# KiCad board SimulTypeUltraFullMag.kicad_pcb
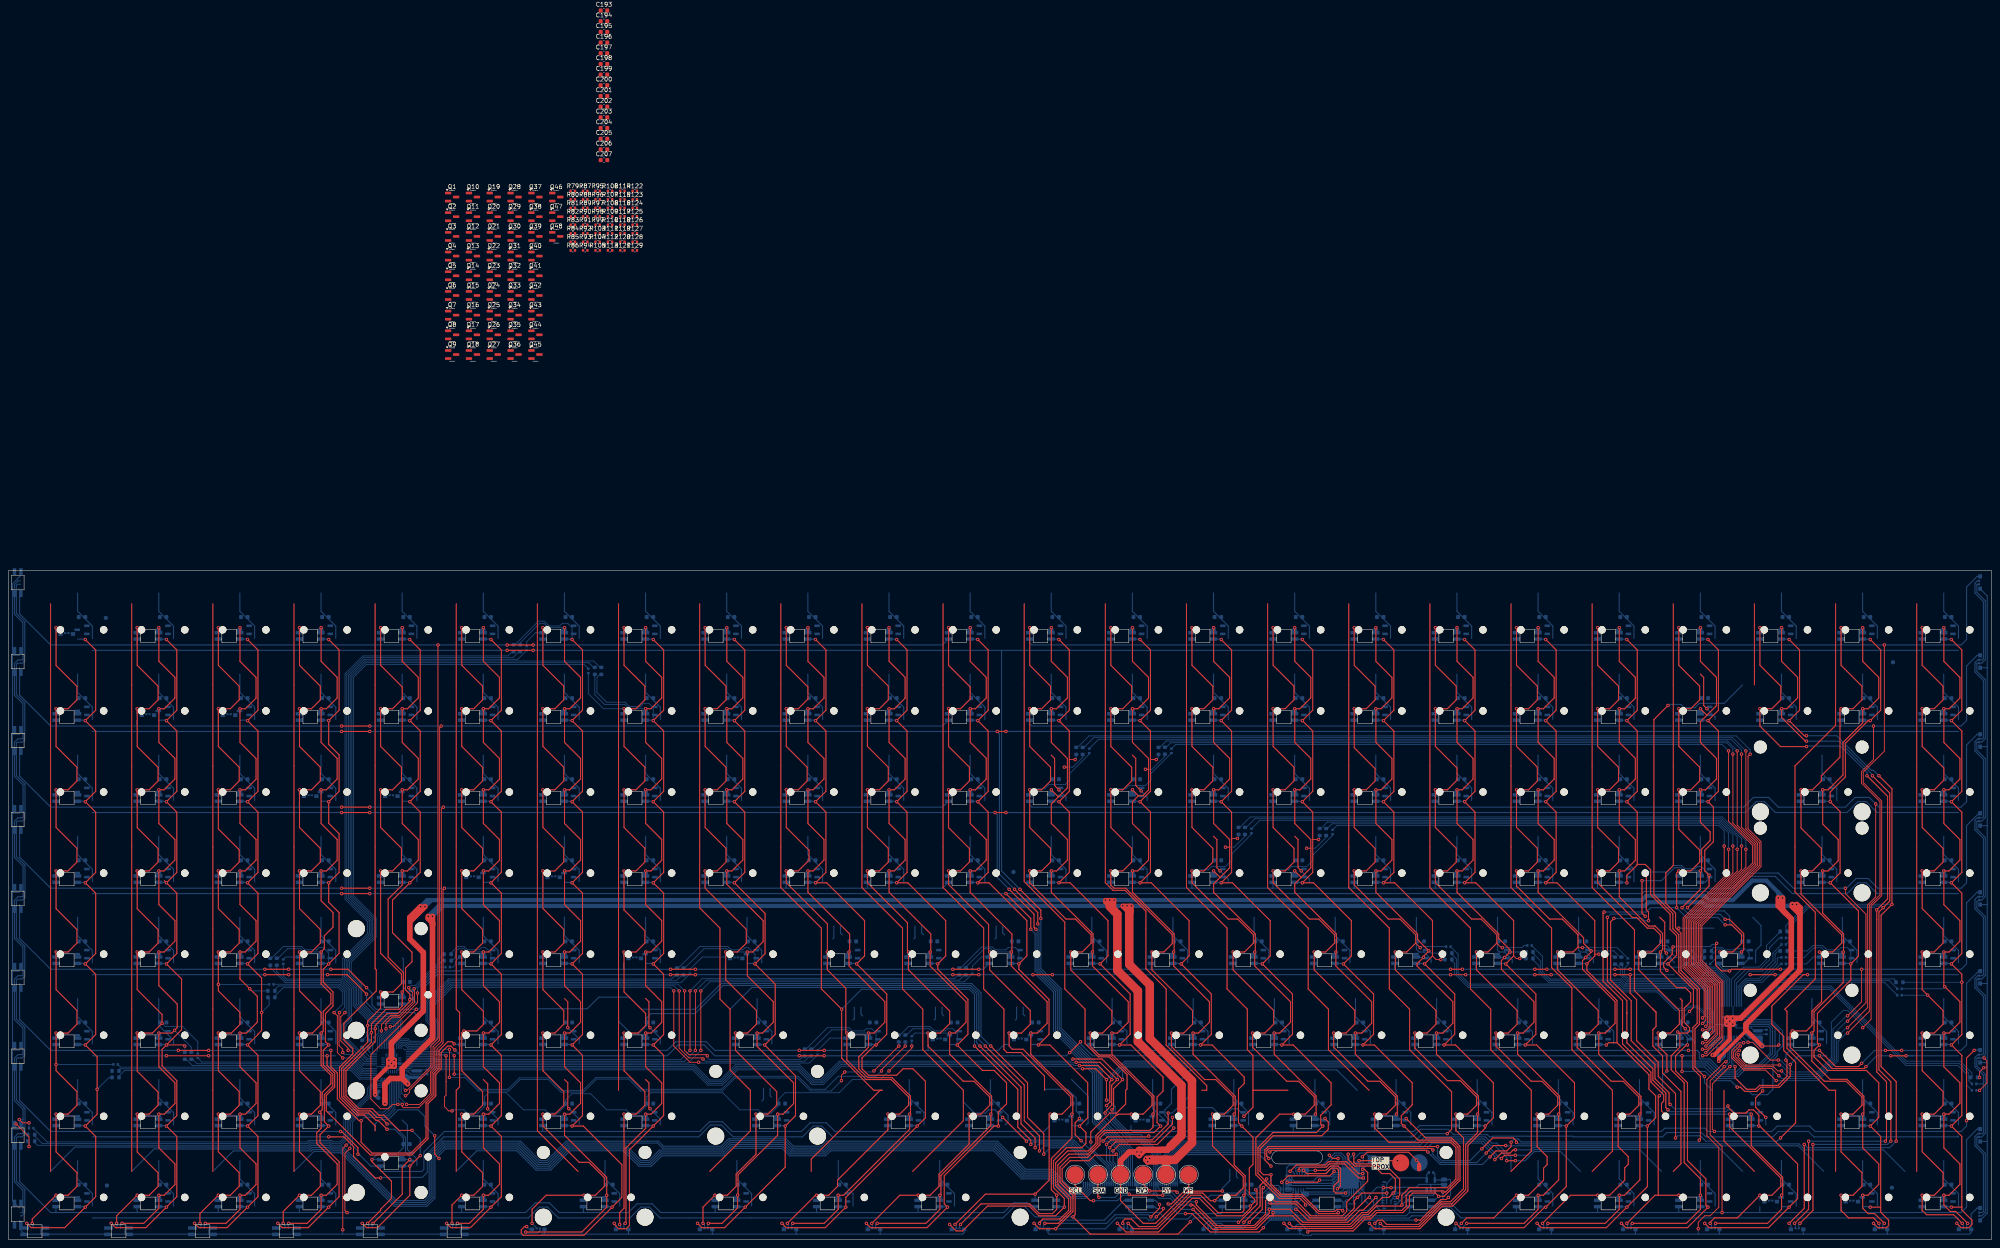
[diagram p0: board, top side]
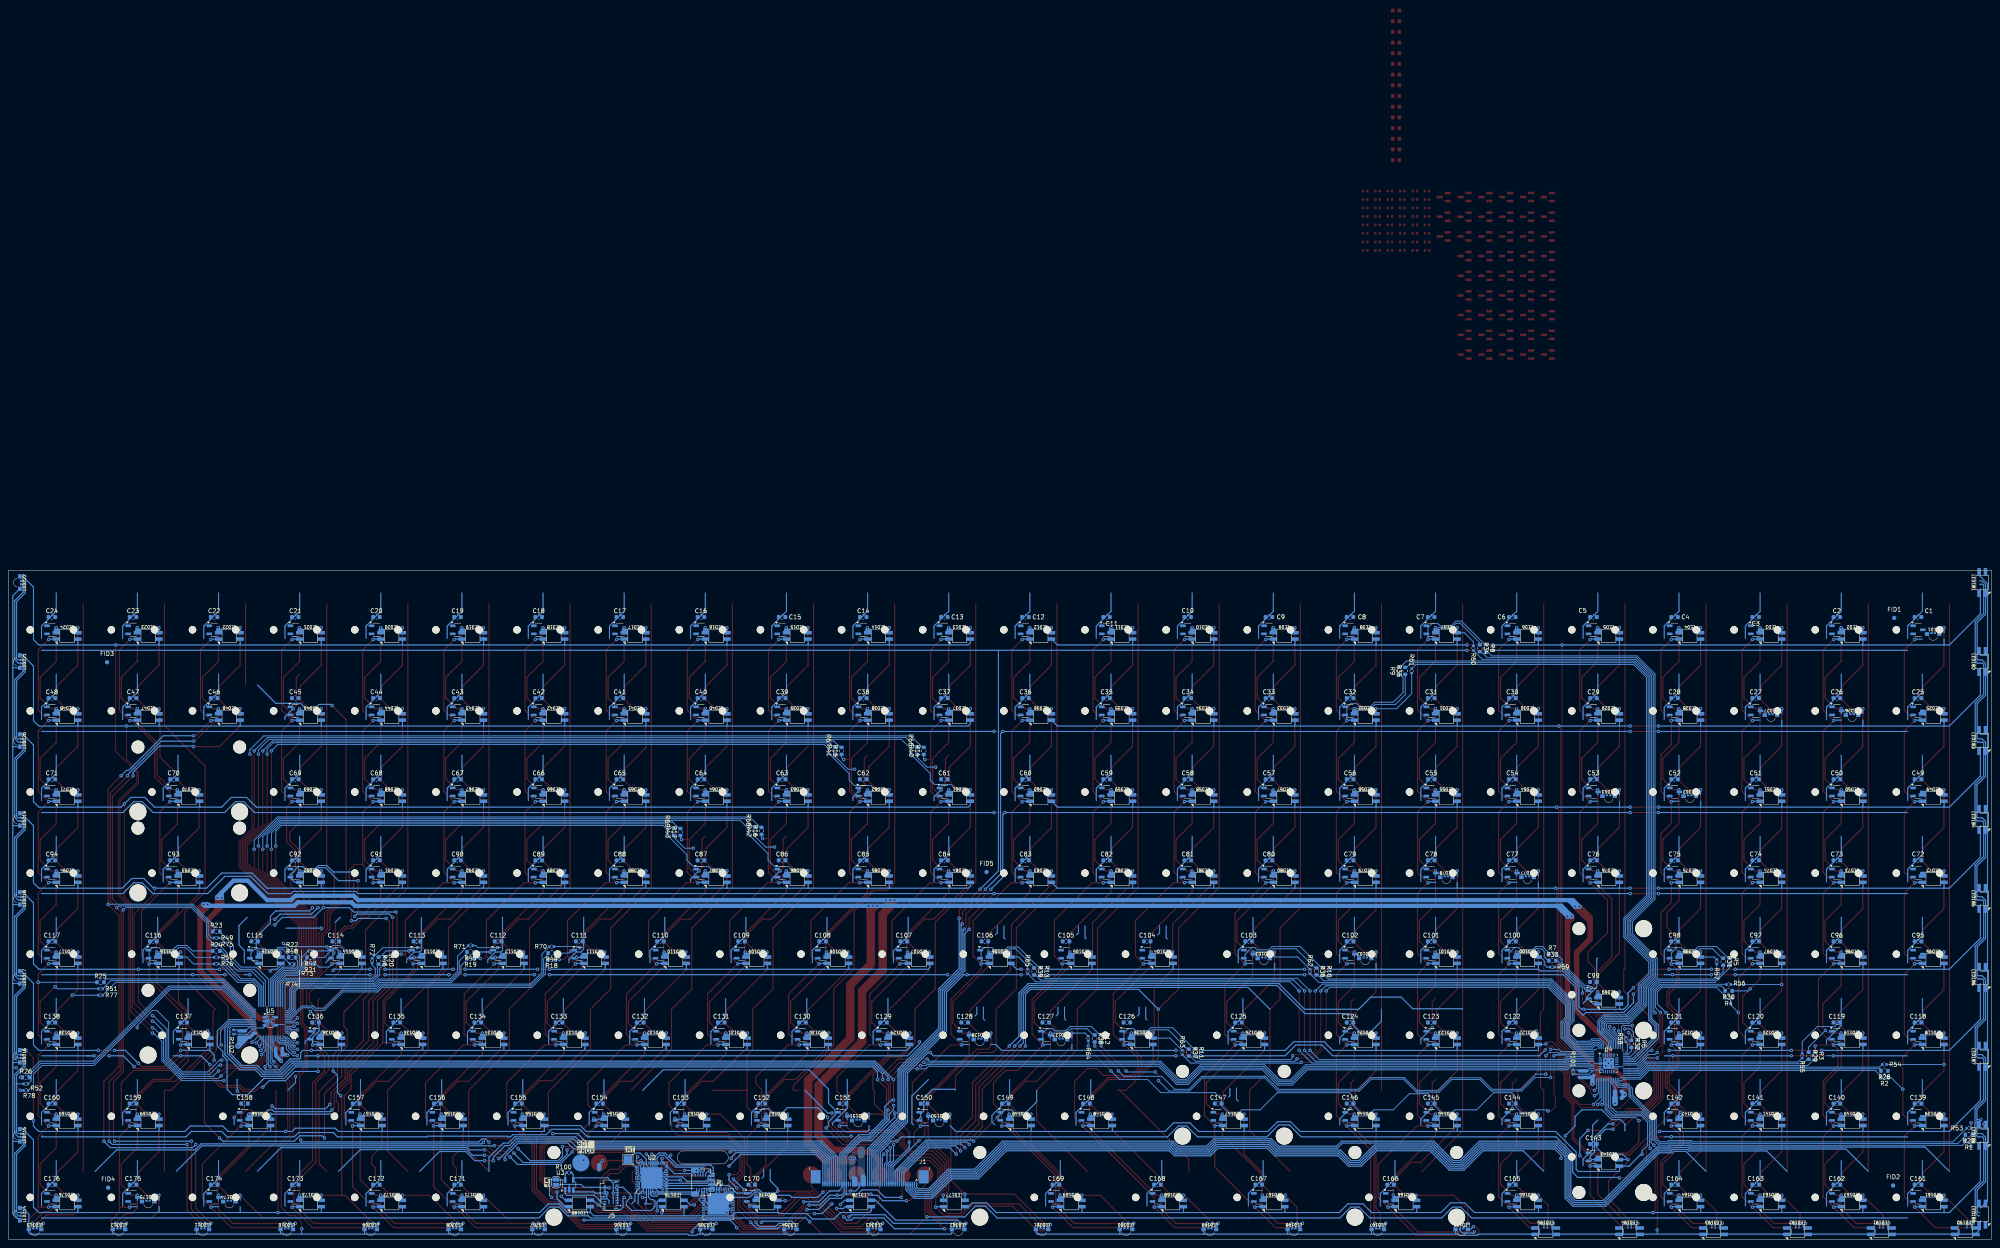
[diagram p1: board, bottom side, seen from below]

Outline 465.58 x 157.23 mm; copper layers: Top, Bottom. Coordinates in mm from the lower left corner of the outline.
Outline path: 307,17.76 308.53,19.28 307,20.81 298.11,20.81 296.59,19.28 298.11,17.76 closed ; rectangle 0,157.23 465.58,0

## Placement (name value [footprint] x y rotation side)
C1  0.1u  [C_0603_1608Metric]  17.26 146.24 180 bottom
C2  0.1u  [C_0603_1608Metric]  36.31 146.24 180 bottom
C3  0.1u  [C_0603_1608Metric]  55.36 146.24 180 bottom
C4  0.1u  [C_0603_1608Metric]  74.41 146.24 180 bottom
C5  0.1u  [C_0603_1608Metric]  93.46 146.24 180 bottom
C6  0.1u  [C_0603_1608Metric]  112.51 146.24 180 bottom
C7  0.1u  [C_0603_1608Metric]  131.56 146.24 180 bottom
C8  0.1u  [C_0603_1608Metric]  150.61 146.24 180 bottom
C9  0.1u  [C_0603_1608Metric]  169.66 146.24 180 bottom
C10  0.1u  [C_0603_1608Metric]  188.71 146.24 180 bottom
C11  0.1u  [C_0603_1608Metric]  207.76 146.24 180 bottom
C12  0.1u  [C_0603_1608Metric]  226.81 146.24 180 bottom
C13  0.1u  [C_0603_1608Metric]  245.86 146.24 180 bottom
C14  0.1u  [C_0603_1608Metric]  264.91 146.24 180 bottom
C15  0.1u  [C_0603_1608Metric]  283.96 146.24 180 bottom
C16  0.1u  [C_0603_1608Metric]  303.01 146.24 180 bottom
C17  0.1u  [C_0603_1608Metric]  322.06 146.24 180 bottom
C18  0.1u  [C_0603_1608Metric]  341.11 146.24 180 bottom
C19  0.1u  [C_0603_1608Metric]  360.16 146.24 180 bottom
C20  0.1u  [C_0603_1608Metric]  379.21 146.24 180 bottom
C21  0.1u  [C_0603_1608Metric]  398.26 146.24 180 bottom
C22  0.1u  [C_0603_1608Metric]  417.31 146.24 180 bottom
C23  0.1u  [C_0603_1608Metric]  436.36 146.24 180 bottom
C24  0.1u  [C_0603_1608Metric]  455.41 146.24 180 bottom
C25  0.1u  [C_0603_1608Metric]  17.26 127.19 180 bottom
C26  0.1u  [C_0603_1608Metric]  36.31 127.19 180 bottom
C27  0.1u  [C_0603_1608Metric]  55.36 127.19 180 bottom
C28  0.1u  [C_0603_1608Metric]  74.41 127.19 180 bottom
C29  0.1u  [C_0603_1608Metric]  93.46 127.19 180 bottom
C30  0.1u  [C_0603_1608Metric]  112.51 127.19 180 bottom
C31  0.1u  [C_0603_1608Metric]  131.56 127.19 180 bottom
C32  0.1u  [C_0603_1608Metric]  150.61 127.19 180 bottom
C33  0.1u  [C_0603_1608Metric]  169.66 127.19 180 bottom
C34  0.1u  [C_0603_1608Metric]  188.71 127.19 180 bottom
C35  0.1u  [C_0603_1608Metric]  207.76 127.19 180 bottom
C36  0.1u  [C_0603_1608Metric]  226.81 127.19 180 bottom
C37  0.1u  [C_0603_1608Metric]  245.86 127.19 180 bottom
C38  0.1u  [C_0603_1608Metric]  264.91 127.19 180 bottom
C39  0.1u  [C_0603_1608Metric]  283.96 127.19 180 bottom
C40  0.1u  [C_0603_1608Metric]  303.01 127.19 180 bottom
C41  0.1u  [C_0603_1608Metric]  322.06 127.19 180 bottom
C42  0.1u  [C_0603_1608Metric]  341.11 127.19 180 bottom
C43  0.1u  [C_0603_1608Metric]  360.16 127.19 180 bottom
C44  0.1u  [C_0603_1608Metric]  379.21 127.19 180 bottom
C45  0.1u  [C_0603_1608Metric]  398.26 127.19 180 bottom
C46  0.1u  [C_0603_1608Metric]  417.31 127.19 180 bottom
C47  0.1u  [C_0603_1608Metric]  436.36 127.19 180 bottom
C48  0.1u  [C_0603_1608Metric]  455.41 127.19 180 bottom
C49  0.1u  [C_0603_1608Metric]  17.26 108.14 180 bottom
C50  0.1u  [C_0603_1608Metric]  36.31 108.14 180 bottom
C51  0.1u  [C_0603_1608Metric]  55.36 108.14 180 bottom
C52  0.1u  [C_0603_1608Metric]  74.41 108.14 180 bottom
C53  0.1u  [C_0603_1608Metric]  93.46 108.14 180 bottom
C54  0.1u  [C_0603_1608Metric]  112.51 108.14 180 bottom
C55  0.1u  [C_0603_1608Metric]  131.56 108.14 180 bottom
C56  0.1u  [C_0603_1608Metric]  150.61 108.14 180 bottom
C57  0.1u  [C_0603_1608Metric]  169.66 108.14 180 bottom
C58  0.1u  [C_0603_1608Metric]  188.71 108.14 180 bottom
C59  0.1u  [C_0603_1608Metric]  207.76 108.14 180 bottom
C60  0.1u  [C_0603_1608Metric]  226.81 108.14 180 bottom
C61  0.1u  [C_0603_1608Metric]  245.86 108.14 180 bottom
C62  0.1u  [C_0603_1608Metric]  264.91 108.14 180 bottom
C63  0.1u  [C_0603_1608Metric]  283.96 108.14 180 bottom
C64  0.1u  [C_0603_1608Metric]  303.01 108.14 180 bottom
C65  0.1u  [C_0603_1608Metric]  322.06 108.14 180 bottom
C66  0.1u  [C_0603_1608Metric]  341.11 108.14 180 bottom
C67  0.1u  [C_0603_1608Metric]  360.16 108.14 180 bottom
C68  0.1u  [C_0603_1608Metric]  379.21 108.14 180 bottom
C69  0.1u  [C_0603_1608Metric]  398.26 108.14 180 bottom
C70  0.1u  [C_0603_1608Metric]  426.83 108.14 180 bottom
C71  0.1u  [C_0603_1608Metric]  455.41 108.14 180 bottom
C72  0.1u  [C_0603_1608Metric]  17.26 89.09 180 bottom
C73  0.1u  [C_0603_1608Metric]  36.31 89.09 180 bottom
C74  0.1u  [C_0603_1608Metric]  55.36 89.09 180 bottom
C75  0.1u  [C_0603_1608Metric]  74.41 89.09 180 bottom
C76  0.1u  [C_0603_1608Metric]  93.46 89.09 180 bottom
C77  0.1u  [C_0603_1608Metric]  112.51 89.09 180 bottom
C78  0.1u  [C_0603_1608Metric]  131.56 89.09 180 bottom
C79  0.1u  [C_0603_1608Metric]  150.61 89.09 180 bottom
C80  0.1u  [C_0603_1608Metric]  169.66 89.09 180 bottom
C81  0.1u  [C_0603_1608Metric]  188.71 89.09 180 bottom
C82  0.1u  [C_0603_1608Metric]  207.76 89.09 180 bottom
C83  0.1u  [C_0603_1608Metric]  226.81 89.09 180 bottom
C84  0.1u  [C_0603_1608Metric]  245.86 89.09 180 bottom
C85  0.1u  [C_0603_1608Metric]  264.91 89.09 180 bottom
C86  0.1u  [C_0603_1608Metric]  283.96 89.09 180 bottom
C87  0.1u  [C_0603_1608Metric]  303.01 89.09 180 bottom
C88  0.1u  [C_0603_1608Metric]  322.06 89.09 180 bottom
C89  0.1u  [C_0603_1608Metric]  341.11 89.09 180 bottom
C90  0.1u  [C_0603_1608Metric]  360.16 89.09 180 bottom
C91  0.1u  [C_0603_1608Metric]  379.21 89.09 180 bottom
C92  0.1u  [C_0603_1608Metric]  398.26 89.09 180 bottom
C93  0.1u  [C_0603_1608Metric]  426.83 89.09 180 bottom
C94  0.1u  [C_0603_1608Metric]  455.41 89.09 180 bottom
C95  0.1u  [C_0603_1608Metric]  17.26 70.04 180 bottom
C96  0.1u  [C_0603_1608Metric]  36.31 70.04 180 bottom
C97  0.1u  [C_0603_1608Metric]  55.36 70.04 180 bottom
C98  0.1u  [C_0603_1608Metric]  74.41 70.04 180 bottom
C99  0.1u  [C_0603_1608Metric]  93.46 60.51 180 bottom
C100  0.1u  [C_0603_1608Metric]  112.51 70.04 180 bottom
C101  0.1u  [C_0603_1608Metric]  131.56 70.04 180 bottom
C102  0.1u  [C_0603_1608Metric]  150.61 70.04 180 bottom
C103  0.1u  [C_0603_1608Metric]  174.42 70.04 180 bottom
C104  0.1u  [C_0603_1608Metric]  198.23 70.04 180 bottom
C105  0.1u  [C_0603_1608Metric]  217.28 70.04 180 bottom
C106  0.1u  [C_0603_1608Metric]  236.33 70.04 180 bottom
C107  0.1u  [C_0603_1608Metric]  255.38 70.04 180 bottom
C108  0.1u  [C_0603_1608Metric]  274.43 70.04 180 bottom
C109  0.1u  [C_0603_1608Metric]  293.48 70.04 180 bottom
C110  0.1u  [C_0603_1608Metric]  312.53 70.04 180 bottom
C111  0.1u  [C_0603_1608Metric]  331.58 70.04 180 bottom
C112  0.1u  [C_0603_1608Metric]  350.63 70.04 180 bottom
C113  0.1u  [C_0603_1608Metric]  369.68 70.04 180 bottom
C114  0.1u  [C_0603_1608Metric]  388.73 70.04 180 bottom
C115  0.1u  [C_0603_1608Metric]  407.78 70.04 180 bottom
C116  0.1u  [C_0603_1608Metric]  431.6 70.04 180 bottom
C117  0.1u  [C_0603_1608Metric]  455.41 70.04 180 bottom
C118  0.1u  [C_0603_1608Metric]  17.26 50.99 180 bottom
C119  0.1u  [C_0603_1608Metric]  36.31 50.99 180 bottom
C120  0.1u  [C_0603_1608Metric]  55.36 50.99 180 bottom
C121  0.1u  [C_0603_1608Metric]  74.41 50.99 180 bottom
C122  0.1u  [C_0603_1608Metric]  112.51 50.99 180 bottom
C123  0.1u  [C_0603_1608Metric]  131.56 50.99 180 bottom
C124  0.1u  [C_0603_1608Metric]  150.61 50.99 180 bottom
C125  0.1u  [C_0603_1608Metric]  176.8 50.99 180 bottom
C126  0.1u  [C_0603_1608Metric]  203 50.99 180 bottom
C127  0.1u  [C_0603_1608Metric]  222.05 50.99 180 bottom
C128  0.1u  [C_0603_1608Metric]  241.1 50.99 180 bottom
C129  0.1u  [C_0603_1608Metric]  260.15 50.99 180 bottom
C130  0.1u  [C_0603_1608Metric]  279.2 50.99 180 bottom
C131  0.1u  [C_0603_1608Metric]  298.25 50.99 180 bottom
C132  0.1u  [C_0603_1608Metric]  317.3 50.99 180 bottom
C133  0.1u  [C_0603_1608Metric]  336.35 50.99 180 bottom
C134  0.1u  [C_0603_1608Metric]  355.4 50.99 180 bottom
C135  0.1u  [C_0603_1608Metric]  374.45 50.99 180 bottom
C136  0.1u  [C_0603_1608Metric]  393.5 50.99 180 bottom
C137  0.1u  [C_0603_1608Metric]  424.45 50.99 180 bottom
C138  0.1u  [C_0603_1608Metric]  455.41 50.99 180 bottom
C139  0.1u  [C_0603_1608Metric]  17.26 31.94 180 bottom
C140  0.1u  [C_0603_1608Metric]  36.31 31.94 180 bottom
C141  0.1u  [C_0603_1608Metric]  55.36 31.94 180 bottom
C142  0.1u  [C_0603_1608Metric]  74.41 31.94 180 bottom
C143  0.1u  [C_0603_1608Metric]  93.46 22.41 180 bottom
C144  0.1u  [C_0603_1608Metric]  112.51 31.94 180 bottom
C145  0.1u  [C_0603_1608Metric]  131.56 31.94 180 bottom
C146  0.1u  [C_0603_1608Metric]  150.61 31.94 180 bottom
C147  0.1u  [C_0603_1608Metric]  181.57 31.94 180 bottom
C148  0.1u  [C_0603_1608Metric]  212.52 31.94 180 bottom
C149  0.1u  [C_0603_1608Metric]  231.57 31.94 180 bottom
C150  0.1u  [C_0603_1608Metric]  250.62 31.94 180 bottom
C151  0.1u  [C_0603_1608Metric]  269.67 31.94 180 bottom
C152  0.1u  [C_0603_1608Metric]  288.72 31.94 180 bottom
C153  0.1u  [C_0603_1608Metric]  307.77 31.94 180 bottom
C154  0.1u  [C_0603_1608Metric]  326.82 31.94 180 bottom
C155  0.1u  [C_0603_1608Metric]  345.87 31.94 180 bottom
C156  0.1u  [C_0603_1608Metric]  364.92 31.94 180 bottom
C157  0.1u  [C_0603_1608Metric]  383.97 31.94 180 bottom
C158  0.1u  [C_0603_1608Metric]  410.17 31.94 180 bottom
C159  0.1u  [C_0603_1608Metric]  436.36 31.94 180 bottom
C160  0.1u  [C_0603_1608Metric]  455.41 31.94 180 bottom
C161  0.1u  [C_0603_1608Metric]  17.26 12.89 180 bottom
C162  0.1u  [C_0603_1608Metric]  36.31 12.89 180 bottom
C163  0.1u  [C_0603_1608Metric]  55.36 12.89 180 bottom
C164  0.1u  [C_0603_1608Metric]  74.41 12.89 180 bottom
C165  0.1u  [C_0603_1608Metric]  112.51 12.89 180 bottom
C166  0.1u  [C_0603_1608Metric]  141.08 12.89 180 bottom
C167  0.1u  [C_0603_1608Metric]  172.04 12.89 180 bottom
C168  0.1u  [C_0603_1608Metric]  195.85 12.89 180 bottom
C169  0.1u  [C_0603_1608Metric]  219.67 12.89 180 bottom
C170  0.1u  [C_0603_1608Metric]  291.1 12.89 180 bottom
C171  0.1u  [C_0603_1608Metric]  360.16 12.89 180 bottom
C172  0.1u  [C_0603_1608Metric]  379.21 12.89 180 bottom
C173  0.1u  [C_0603_1608Metric]  398.26 12.89 180 bottom
C174  0.1u  [C_0603_1608Metric]  417.31 12.89 180 bottom
C175  0.1u  [C_0603_1608Metric]  436.36 12.89 180 bottom
C176  0.1u  [C_0603_1608Metric]  455.41 12.89 180 bottom
C193  1u  [C_0603_1608Metric]  139.8 288.73 0 top
C194  0.1u  [C_0603_1608Metric]  139.8 286.22 0 top
C195  1u  [C_0603_1608Metric]  139.8 283.71 0 top
C196  0.1u  [C_0603_1608Metric]  139.8 281.2 0 top
C197  1u  [C_0603_1608Metric]  139.8 278.69 0 top
C198  0.1u  [C_0603_1608Metric]  139.8 276.18 0 top
C199  1u  [C_0603_1608Metric]  139.8 273.67 0 top
C200  0.1u  [C_0603_1608Metric]  139.8 271.16 0 top
C201  1u  [C_0603_1608Metric]  139.8 268.65 0 top
C202  1u  [C_0603_1608Metric]  139.8 266.14 0 top
C203  0.1u  [C_0603_1608Metric]  139.8 263.63 0 top
C204  0.1u  [C_0603_1608Metric]  139.8 261.12 0 top
C205  5p  [C_0603_1608Metric]  139.8 258.61 0 top
C206  1u  [C_0603_1608Metric]  139.8 256.1 0 top
C207  2.2n  [C_0603_1608Metric]  139.8 253.59 0 top
DRA1  DIN_Rail_Adapter  [Stabilizer_Cherry_MX_6.25u]  287.53 13.46 0 top  (not fitted)
DRA2  DIN_Rail_Adapter  [Stabilizer_Cherry_MX_2.00u]  177.99 32.51 0 top  (not fitted)
DRA3  DIN_Rail_Adapter  [Stabilizer_Cherry_MX_2.00u]  420.88 51.56 0 top  (not fitted)
DRA4  DIN_Rail_Adapter  [Stabilizer_Cherry_MX_2.00u]  89.88 61.09 270 top  (not fitted)
DRA5  DIN_Rail_Adapter  [Stabilizer_Cherry_MX_2.00u]  89.88 22.99 270 top  (not fitted)
DRA6  DIN_Rail_Adapter  [Stabilizer_Cherry_MX_2.00u]  137.51 13.46 0 top  (not fitted)
DRA7  DIN_Rail_Adapter  [Stabilizer_Cherry_MX_2.00u]  423.26 89.66 0 top  (not fitted)
DRA8  DIN_Rail_Adapter  [Stabilizer_Cherry_MX_2.00u]  423.26 108.71 0 top  (not fitted)
FID1  Fiducial  [Fiducial_1mm_Mask2mm]  22.85 146.03 180 bottom  (not fitted)
FID2  Fiducial  [Fiducial_1mm_Mask2mm]  23.1 12.68 180 bottom  (not fitted)
FID3  Fiducial  [Fiducial_1mm_Mask2mm]  442.46 135.62 180 bottom  (not fitted)
FID4  Fiducial  [Fiducial_1mm_Mask2mm]  442.2 12.17 180 bottom  (not fitted)
FID5  Fiducial  [Fiducial_1mm_Mask2mm]  235.95 86.34 180 bottom  (not fitted)
J1  Conn_01x45  [TE_4-1734839-5_1x45-1MP_P0.5mm_Horizontal]  263.39 14.38 0 bottom
J2  Qwiic_I2C_connector  [JST_SH_SM04B-SRSS-TB_1x04-1MP_P1.00mm_Horizontal]  302.53 13.46 270 bottom
J3  Conn_01x01  [SURFACESPRING_1]  326.89 18.01 0 top  (not fitted)
J4  Conn_01x01  [SURFACESPRING_1]  331.2 18.01 180 bottom  (not fitted)
J5  Conn_01x17  [Molex_502250-1791_2Rows-17Pins-1MP_P0.60mm_Horizontal]  324.09 10.39 0 bottom
JP1  SolderJumper_2_Open  [SolderJumper-2_P1.3mm_Open_RoundedPad1.0x1.5mm]  337.05 13.46 270 bottom  (not fitted)
LED1  ASMB-MTB1-0A3A2  [RGBSIDELENS]  13.68 141.81 0 bottom
LED2  ASMB-MTB1-0A3A2  [6028RGB]  32.73 141.81 0 bottom
LED3  ASMB-MTB1-0A3A2  [6028RGB]  51.78 141.81 0 bottom
LED4  ASMB-MTB1-0A3A2  [6028RGB]  70.83 141.81 0 bottom
LED5  ASMB-MTB1-0A3A2  [6028RGB]  89.88 141.81 0 bottom
LED6  ASMB-MTB1-0A3A2  [6028RGB]  108.93 141.81 0 bottom
LED7  ASMB-MTB1-0A3A2  [6028RGB]  127.98 141.81 0 bottom
LED8  ASMB-MTB1-0A3A2  [6028RGB]  147.03 141.81 0 bottom
LED9  ASMB-MTB1-0A3A2  [6028RGB]  166.08 141.81 0 bottom
LED10  ASMB-MTB1-0A3A2  [6028RGB]  185.13 141.81 0 bottom
LED11  ASMB-MTB1-0A3A2  [6028RGB]  204.18 141.81 0 bottom
LED12  ASMB-MTB1-0A3A2  [6028RGB]  223.23 141.81 0 bottom
LED13  ASMB-MTB1-0A3A2  [6028RGB]  242.28 141.81 0 bottom
LED14  ASMB-MTB1-0A3A2  [6028RGB]  261.33 141.81 0 bottom
LED15  ASMB-MTB1-0A3A2  [6028RGB]  280.38 141.81 0 bottom
LED16  ASMB-MTB1-0A3A2  [6028RGB]  299.43 141.81 0 bottom
LED17  ASMB-MTB1-0A3A2  [6028RGB]  318.48 141.81 0 bottom
LED18  ASMB-MTB1-0A3A2  [6028RGB]  337.53 141.81 0 bottom
LED19  ASMB-MTB1-0A3A2  [6028RGB]  356.58 141.81 0 bottom
LED20  ASMB-MTB1-0A3A2  [6028RGB]  375.63 141.81 0 bottom
LED21  ASMB-MTB1-0A3A2  [6028RGB]  394.68 141.81 0 bottom
LED22  ASMB-MTB1-0A3A2  [6028RGB]  413.73 141.81 0 bottom
LED23  ASMB-MTB1-0A3A2  [6028RGB]  432.78 141.81 0 bottom
LED24  ASMB-MTB1-0A3A2  [6028RGB]  451.83 141.81 0 bottom
LED25  ASMB-MTB1-0A3A2  [6028RGB]  13.68 122.76 0 bottom
LED26  ASMB-MTB1-0A3A2  [RGBSIDELENS]  32.73 122.76 0 bottom
LED27  ASMB-MTB1-0A3A2  [RGBSIDELENS]  51.78 122.76 0 bottom
LED28  ASMB-MTB1-0A3A2  [6028RGB]  70.83 122.76 0 bottom
LED29  ASMB-MTB1-0A3A2  [6028RGB]  89.88 122.76 0 bottom
LED30  ASMB-MTB1-0A3A2  [6028RGB]  108.93 122.76 0 bottom
LED31  ASMB-MTB1-0A3A2  [6028RGB]  127.98 122.76 0 bottom
LED32  ASMB-MTB1-0A3A2  [6028RGB]  147.03 122.76 0 bottom
LED33  ASMB-MTB1-0A3A2  [6028RGB]  166.08 122.76 0 bottom
LED34  ASMB-MTB1-0A3A2  [6028RGB]  185.13 122.76 0 bottom
LED35  ASMB-MTB1-0A3A2  [6028RGB]  204.18 122.76 0 bottom
LED36  ASMB-MTB1-0A3A2  [6028RGB]  223.23 122.76 0 bottom
LED37  ASMB-MTB1-0A3A2  [6028RGB]  242.28 122.76 0 bottom
LED38  ASMB-MTB1-0A3A2  [6028RGB]  261.33 122.76 0 bottom
LED39  ASMB-MTB1-0A3A2  [6028RGB]  280.38 122.76 0 bottom
LED40  ASMB-MTB1-0A3A2  [6028RGB]  299.43 122.76 0 bottom
LED41  ASMB-MTB1-0A3A2  [6028RGB]  318.48 122.76 0 bottom
LED42  ASMB-MTB1-0A3A2  [6028RGB]  337.53 122.76 0 bottom
LED43  ASMB-MTB1-0A3A2  [6028RGB]  356.58 122.76 0 bottom
LED44  ASMB-MTB1-0A3A2  [6028RGB]  375.63 122.76 0 bottom
LED45  ASMB-MTB1-0A3A2  [6028RGB]  394.68 122.76 0 bottom
LED46  ASMB-MTB1-0A3A2  [6028RGB]  413.73 122.76 0 bottom
LED47  ASMB-MTB1-0A3A2  [6028RGB]  432.78 122.76 0 bottom
LED48  ASMB-MTB1-0A3A2  [6028RGB]  451.83 122.76 0 bottom
LED49  ASMB-MTB1-0A3A2  [6028RGB]  13.68 103.71 0 bottom
LED50  ASMB-MTB1-0A3A2  [6028RGB]  32.73 103.71 0 bottom
LED51  ASMB-MTB1-0A3A2  [6028RGB]  51.78 103.71 0 bottom
LED52  ASMB-MTB1-0A3A2  [RGBSIDELENS]  70.83 103.71 0 bottom
LED53  ASMB-MTB1-0A3A2  [RGBSIDELENS]  89.88 103.71 0 bottom
LED54  ASMB-MTB1-0A3A2  [6028RGB]  108.93 103.71 0 bottom
LED55  ASMB-MTB1-0A3A2  [6028RGB]  127.98 103.71 0 bottom
LED56  ASMB-MTB1-0A3A2  [6028RGB]  147.03 103.71 0 bottom
LED57  ASMB-MTB1-0A3A2  [6028RGB]  166.08 103.71 0 bottom
LED58  ASMB-MTB1-0A3A2  [6028RGB]  185.13 103.71 0 bottom
LED59  ASMB-MTB1-0A3A2  [6028RGB]  204.18 103.71 0 bottom
LED60  ASMB-MTB1-0A3A2  [6028RGB]  223.23 103.71 0 bottom
LED61  ASMB-MTB1-0A3A2  [6028RGB]  242.28 103.71 0 bottom
LED62  ASMB-MTB1-0A3A2  [6028RGB]  261.33 103.71 0 bottom
LED63  ASMB-MTB1-0A3A2  [6028RGB]  280.38 103.71 0 bottom
LED64  ASMB-MTB1-0A3A2  [6028RGB]  299.43 103.71 0 bottom
LED65  ASMB-MTB1-0A3A2  [6028RGB]  318.48 103.71 0 bottom
LED66  ASMB-MTB1-0A3A2  [6028RGB]  337.53 103.71 0 bottom
LED67  ASMB-MTB1-0A3A2  [6028RGB]  356.58 103.71 0 bottom
LED68  ASMB-MTB1-0A3A2  [6028RGB]  375.63 103.71 0 bottom
LED69  ASMB-MTB1-0A3A2  [6028RGB]  394.68 103.71 0 bottom
LED70  ASMB-MTB1-0A3A2  [6028RGB]  423.26 103.71 0 bottom
LED71  ASMB-MTB1-0A3A2  [6028RGB]  451.83 103.71 0 bottom
LED72  ASMB-MTB1-0A3A2  [6028RGB]  13.68 84.66 0 bottom
LED73  ASMB-MTB1-0A3A2  [6028RGB]  32.73 84.66 0 bottom
LED74  ASMB-MTB1-0A3A2  [6028RGB]  51.78 84.66 0 bottom
LED75  ASMB-MTB1-0A3A2  [6028RGB]  70.83 84.66 0 bottom
LED76  ASMB-MTB1-0A3A2  [6028RGB]  89.88 84.66 0 bottom
LED77  ASMB-MTB1-0A3A2  [RGBSIDELENS]  108.93 84.66 0 bottom
LED78  ASMB-MTB1-0A3A2  [RGBSIDELENS]  127.98 84.66 0 bottom
LED79  ASMB-MTB1-0A3A2  [6028RGB]  147.03 84.66 0 bottom
LED80  ASMB-MTB1-0A3A2  [6028RGB]  166.08 84.66 0 bottom
LED81  ASMB-MTB1-0A3A2  [6028RGB]  185.13 84.66 0 bottom
LED82  ASMB-MTB1-0A3A2  [6028RGB]  204.18 84.66 0 bottom
LED83  ASMB-MTB1-0A3A2  [6028RGB]  223.23 84.66 0 bottom
LED84  ASMB-MTB1-0A3A2  [6028RGB]  242.28 84.66 0 bottom
LED85  ASMB-MTB1-0A3A2  [6028RGB]  261.33 84.66 0 bottom
LED86  ASMB-MTB1-0A3A2  [6028RGB]  280.38 84.66 0 bottom
LED87  ASMB-MTB1-0A3A2  [6028RGB]  299.43 84.66 0 bottom
LED88  ASMB-MTB1-0A3A2  [6028RGB]  318.48 84.66 0 bottom
LED89  ASMB-MTB1-0A3A2  [6028RGB]  337.53 84.66 0 bottom
LED90  ASMB-MTB1-0A3A2  [6028RGB]  356.58 84.66 0 bottom
LED91  ASMB-MTB1-0A3A2  [6028RGB]  375.63 84.66 0 bottom
LED92  ASMB-MTB1-0A3A2  [6028RGB]  394.68 84.66 0 bottom
LED93  ASMB-MTB1-0A3A2  [6028RGB]  423.26 84.66 0 bottom
LED94  ASMB-MTB1-0A3A2  [6028RGB]  451.83 84.66 0 bottom
LED95  ASMB-MTB1-0A3A2  [6028RGB]  13.68 65.61 0 bottom
LED96  ASMB-MTB1-0A3A2  [6028RGB]  32.73 65.61 0 bottom
LED97  ASMB-MTB1-0A3A2  [6028RGB]  51.78 65.61 0 bottom
LED98  ASMB-MTB1-0A3A2  [6028RGB]  70.83 65.61 0 bottom
LED99  ASMB-MTB1-0A3A2  [6028RGB]  89.88 56.09 0 bottom
LED100  ASMB-MTB1-0A3A2  [6028RGB]  108.93 65.61 0 bottom
LED101  ASMB-MTB1-0A3A2  [6028RGB]  127.98 65.61 0 bottom
LED102  ASMB-MTB1-0A3A2  [RGBSIDELENS]  147.03 65.61 0 bottom
LED103  ASMB-MTB1-0A3A2  [RGBSIDELENS]  170.85 65.61 0 bottom
LED104  ASMB-MTB1-0A3A2  [6028RGB]  194.66 65.61 0 bottom
LED105  ASMB-MTB1-0A3A2  [6028RGB]  213.71 65.61 0 bottom
LED106  ASMB-MTB1-0A3A2  [6028RGB]  232.76 65.61 0 bottom
LED107  ASMB-MTB1-0A3A2  [6028RGB]  251.81 65.61 0 bottom
LED108  ASMB-MTB1-0A3A2  [6028RGB]  270.86 65.61 0 bottom
LED109  ASMB-MTB1-0A3A2  [6028RGB]  289.91 65.61 0 bottom
LED110  ASMB-MTB1-0A3A2  [6028RGB]  308.96 65.61 0 bottom
LED111  ASMB-MTB1-0A3A2  [6028RGB]  328.01 65.61 0 bottom
LED112  ASMB-MTB1-0A3A2  [6028RGB]  347.06 65.61 0 bottom
LED113  ASMB-MTB1-0A3A2  [6028RGB]  366.11 65.61 0 bottom
LED114  ASMB-MTB1-0A3A2  [6028RGB]  385.16 65.61 0 bottom
LED115  ASMB-MTB1-0A3A2  [6028RGB]  404.21 65.61 0 bottom
LED116  ASMB-MTB1-0A3A2  [6028RGB]  428.02 65.61 0 bottom
LED117  ASMB-MTB1-0A3A2  [6028RGB]  451.83 65.61 0 bottom
LED118  ASMB-MTB1-0A3A2  [6028RGB]  13.68 46.56 0 bottom
LED119  ASMB-MTB1-0A3A2  [6028RGB]  32.73 46.56 0 bottom
LED120  ASMB-MTB1-0A3A2  [6028RGB]  51.78 46.56 0 bottom
LED121  ASMB-MTB1-0A3A2  [6028RGB]  70.83 46.56 0 bottom
LED122  ASMB-MTB1-0A3A2  [6028RGB]  108.93 46.56 0 bottom
LED123  ASMB-MTB1-0A3A2  [6028RGB]  127.98 46.56 0 bottom
LED124  ASMB-MTB1-0A3A2  [6028RGB]  147.03 46.56 0 bottom
LED125  ASMB-MTB1-0A3A2  [6028RGB]  173.23 46.56 0 bottom
LED126  ASMB-MTB1-0A3A2  [6028RGB]  199.42 46.56 0 bottom
LED127  ASMB-MTB1-0A3A2  [RGBSIDELENS]  218.47 46.56 0 bottom
LED128  ASMB-MTB1-0A3A2  [RGBSIDELENS]  237.52 46.56 0 bottom
LED129  ASMB-MTB1-0A3A2  [6028RGB]  256.57 46.56 0 bottom
LED130  ASMB-MTB1-0A3A2  [6028RGB]  275.62 46.56 0 bottom
LED131  ASMB-MTB1-0A3A2  [6028RGB]  294.67 46.56 0 bottom
LED132  ASMB-MTB1-0A3A2  [6028RGB]  313.72 46.56 0 bottom
LED133  ASMB-MTB1-0A3A2  [6028RGB]  332.77 46.56 0 bottom
LED134  ASMB-MTB1-0A3A2  [6028RGB]  351.82 46.56 0 bottom
LED135  ASMB-MTB1-0A3A2  [6028RGB]  370.87 46.56 0 bottom